# Altium PCB LJ_Mosfet_Power.PcbDoc (part 4 of 5)
Units mm, origin at the board's own origin, x right, y up, seen from the top; angles counter-clockwise.
Board outline 152.51 x 130.13 mm, 2 copper layers (Top Layer, Bottom Layer); 337 components, 193 nets, 1586 pads, 1491 vias.
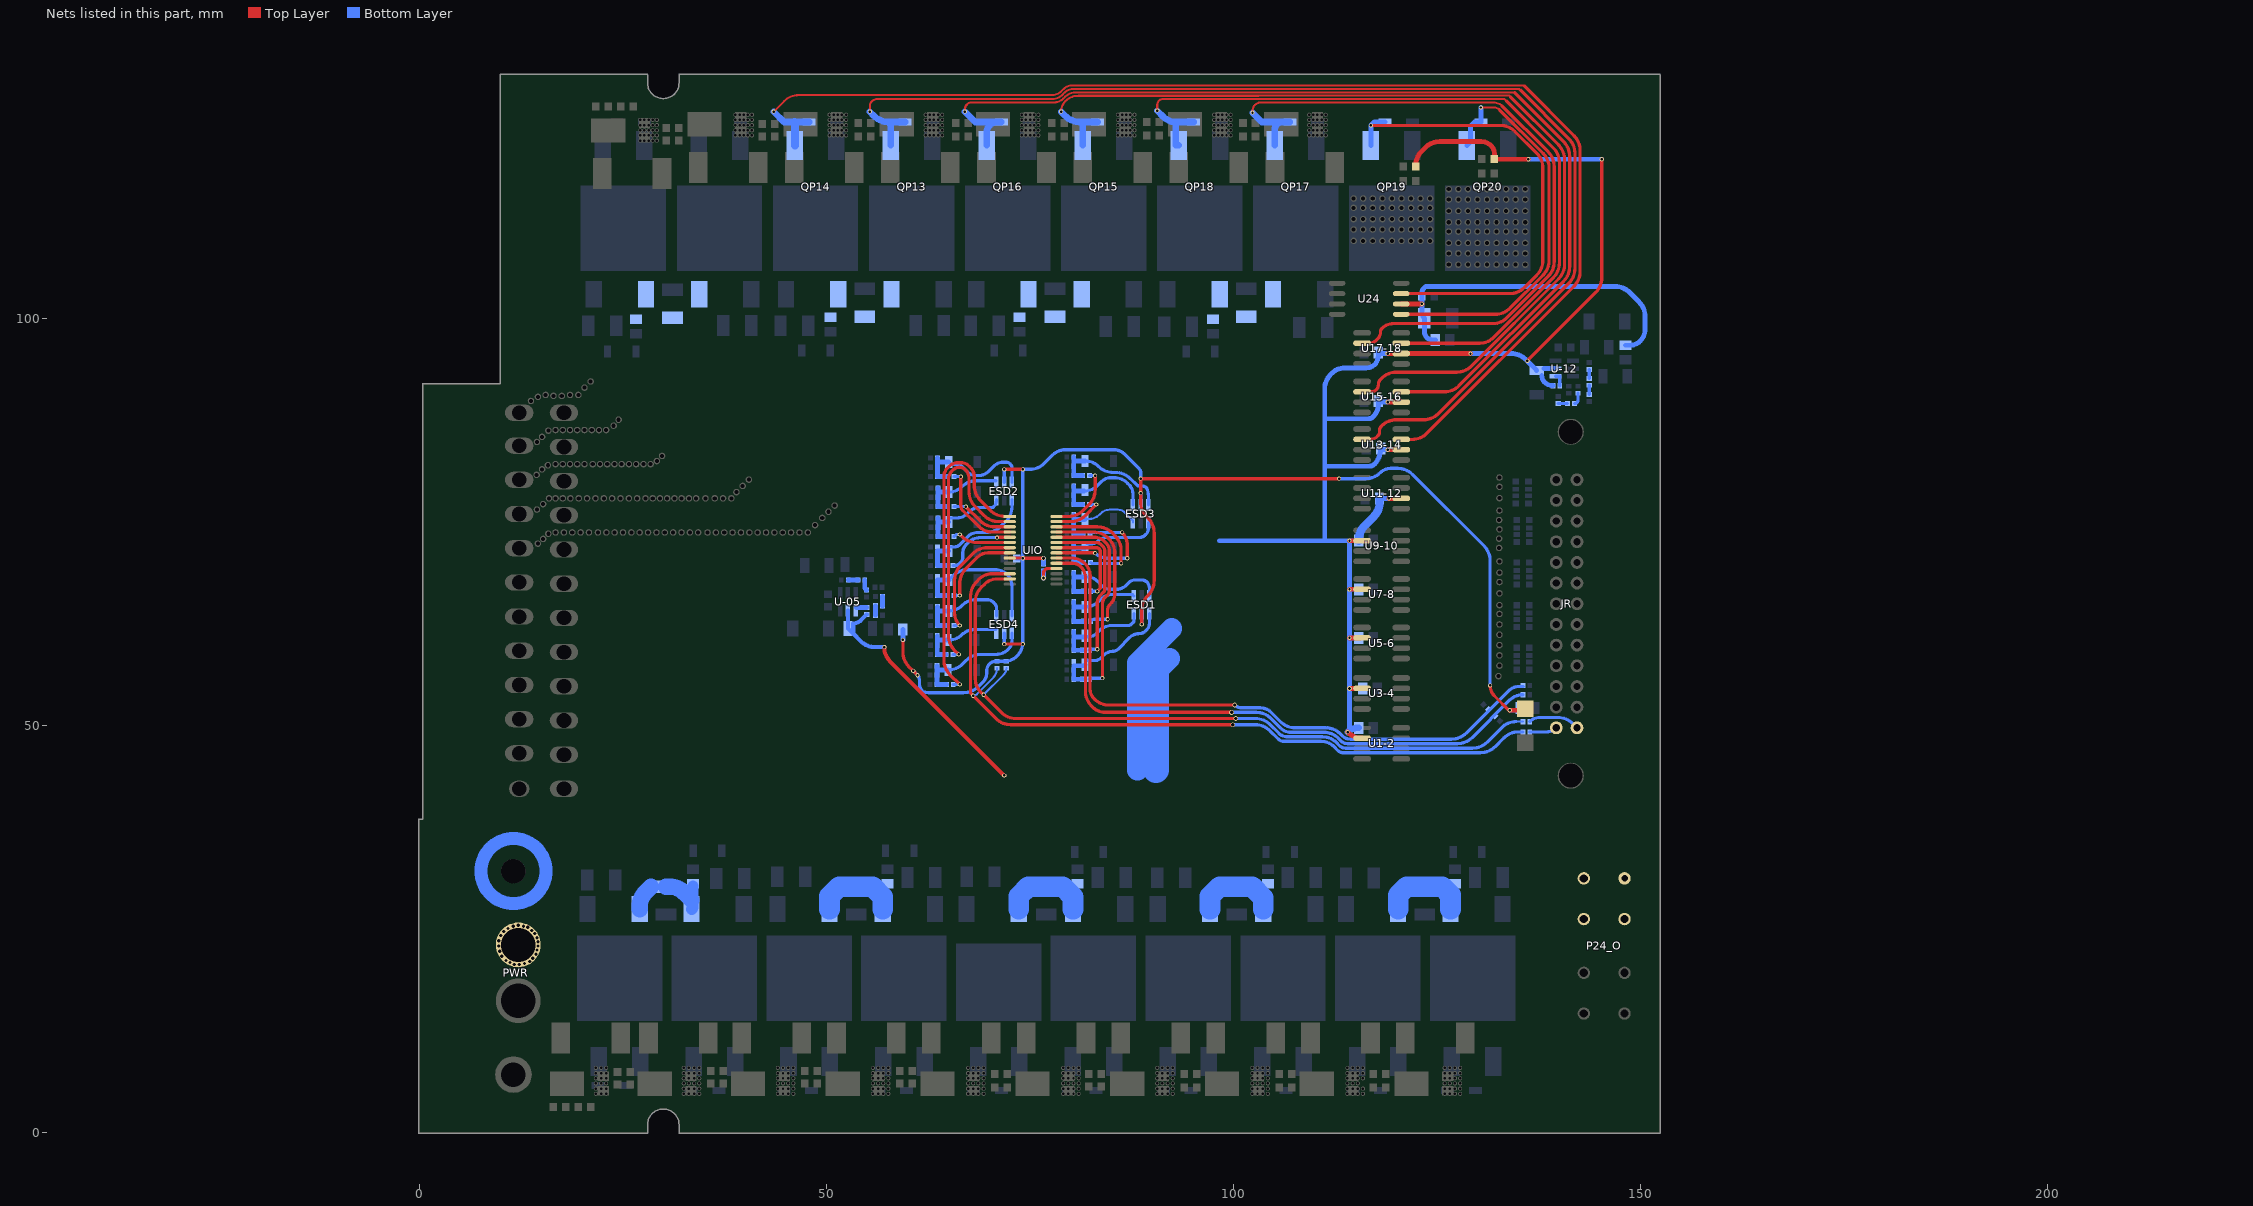
[diagram p4: the nets of this part, all layers, seen from the top]

## Via types
v1: diameter 0.5, hole 0.3, Top Layer to Bottom Layer, tented both sides, 758 vias
v2: diameter 0.6, hole 0.4, Top Layer to Bottom Layer, tented both sides, 698 vias
v3: diameter 0.8, hole 0.5, Top Layer to Bottom Layer, tented both sides, 22 vias
v4: diameter 0.6, hole 0.43, Top Layer to Bottom Layer, tented both sides, 8 vias
v5: diameter 0.5, hole 0.3, Top Layer to Bottom Layer, 3 vias
v6: diameter 0.6, hole 0.3, Top Layer to Bottom Layer, tented both sides, 2 vias

## Nets (pads, with @x,y where several pads share a name; then routed paths per layer and width w, separated by ;. In a path a pad name is that pad's centre, name@x,y a point inside that pad or via, vN(x,y) a via of type N, cw(c..) or ccw(c..) an arc to the next point about the centre after c; other vN are vias at no path point) (continued)
NetQP13_1: QP13.1 U13-14.2 ZD13.2 | length 149.3
  Top Layer w0.254: v1(55.372,125.46) 55.372,126.099 cw(c56.282,126.099) 55.638,126.742 cw(c56.282,126.099) 56.282,127.009 77.823,127.009 ccw(c77.823,128.668) 78.919,127.423 79.322,127.825 cw(c80.357,126.789) 80.357,128.254 135.128,128.254 135.255,128.127
  Top Layer w0.4: U13-14.2@115.85,85.201 116.809,85.201 ccw(c116.809,86.502) 117.327,85.309 ccw(c116.809,86.502) 117.729,85.582 117.803,85.656 ccw(c117.37,86.09) 117.983,86.09 117.983,86.239 cw(c118.85,86.239) 118.237,86.852 118.255,86.87 cw(c120.051,85.074) 120.051,87.614 123.408,87.614 ccw(c123.408,90.154) 125.204,88.358 141.242,104.396 ccw(c139.446,106.192) 141.986,106.192 141.986,120.344 ccw(c139.446,120.344) 141.242,122.14 135.255,128.127
  Bottom Layer w0.8: v1(55.372,125.46) 55.898,124.934 ccw(c57.694,126.73) 56.106,124.747 ccw(c57.694,126.73) 57.694,124.19 ; QP13.1@57.954,121.309 57.954,123.562 ccw(c57.066,123.562) 57.694,124.19 ; ZD13.2@59.719,124.19 57.694,124.19
NetQP14_1: QP14.1 U13-14.7 ZD14.2 | length 157.5
  Top Layer w0.254: v1(43.561,125.46) 44.849,126.748 cw(c46.645,124.952) 46.645,127.492 77.775,127.492 ccw(c77.775,129.037) 78.867,127.945 79.176,128.254 cw(c80.157,127.274) 80.157,128.66 135.738,128.66 135.811,128.587
  Top Layer w0.4: U13-14.7@120.65,85.201 122.011,85.201 ccw(c122.011,87.741) 123.807,85.945 141.877,104.015 ccw(c140.081,105.811) 142.621,105.811 142.621,120.725 ccw(c140.081,120.725) 141.877,122.521 135.811,128.587
  Bottom Layer w0.8: v1(43.561,125.46) 44.831,124.19 46.101,124.19 ZD14.2@47.908,124.19
  Bottom Layer w1: 46.101,124.19 cw(c45.96,124.049) 46.159,124.049 QP14.1@46.159,121.309
NetQP15_1: QP15.1 U15-16.2 ZD15.2 | length 119.3
  Top Layer w0.254: v1(78.867,125.46) cw(c80.707,125.46) 79.406,126.761 cw(c80.985,125.181) 79.407,126.762 cw(c80.985,125.181) 80.985,127.415 103.117,127.415 103.129,127.428 133.922,127.428 134.112,127.238
  Top Layer w0.4: U15-16.2@115.85,91.043 116.989,91.043 ccw(c116.989,91.91) 117.602,91.297 ccw(c116.989,91.91) 117.856,91.91 117.856,91.954 cw(c118.723,91.954) 118.11,92.567 118.255,92.712 cw(c120.051,90.916) 120.051,93.456 127.472,93.456 ccw(c127.472,95.996) 129.268,94.2 139.972,104.904 ccw(c138.176,106.7) 140.716,106.7 140.716,119.582 ccw(c138.176,119.582) 139.972,121.378 134.112,127.238
  Bottom Layer w0.8: v1(78.867,125.46) 79.393,124.934 ccw(c81.189,126.73) 79.601,124.747 ccw(c81.189,126.73) 81.189,124.19 81.544,124.19 ; QP15.1@81.544,121.309 81.544,124.19 ; ZD15.2@83.341,124.19 81.544,124.19
NetQP16_1: QP16.1 U15-16.7 ZD16.2 | length 128.8
  Top Layer w0.254: v1(67.056,125.46) 67.056,125.736 cw(c67.923,125.736) 67.309,126.348 cw(c67.923,125.736) 67.923,126.603 78.041,126.603 ccw(c78.041,128.13) 79.121,127.05 79.375,127.304 cw(c80.623,126.056) 80.623,127.821 102.948,127.821 102.961,127.834 134.532,127.834 134.591,127.775
  Top Layer w0.4: U15-16.7@120.65,91.043 125.948,91.043 ccw(c125.948,93.583) 127.744,91.787 140.607,104.65 ccw(c138.811,106.446) 141.351,106.446 141.351,119.963 ccw(c138.811,119.963) 140.607,121.759 134.591,127.775
  Bottom Layer w0.8: v1(67.056,125.46) 68.326,124.19 ZD16.2@71.024,124.19 ; QP16.1@69.749,121.309 69.749,122.952 cw(c70.961,122.952) 70.104,123.809 cw(c71.024,122.889) ZD16.2@71.024,124.19 ; ZD16.2@71.53,124.19 ZD16.2@71.024,124.19
NetQP17_1: QP17.1 U17-18.2 ZD17.2 | length 89.9
  Top Layer w0.254: v1(102.384,125.333) 102.384,125.556 cw(c103.431,125.556) 102.69,126.296 ; 102.69,126.296 cw(c103.431,125.556) 103.431,126.603 131.953,126.603 cw(c131.953,125.019) 133.073,126.139
  Top Layer w0.4: U17-18.2@115.85,97.012 116.682,97.012 ccw(c116.682,98.313) 117.602,97.393 117.751,97.542 ccw(c116.884,98.409) 118.11,98.409 cw(c118.723,98.409) 118.29,98.843 cw(c119.696,97.437) 119.696,99.425 131.953,99.425 ccw(c131.953,101.719) 133.574,100.096 ; 133.073,126.139 138.702,120.51 cw(c136.906,118.714) 139.446,118.714 139.446,107.02 cw(c136.906,107.02) 138.702,105.224 133.575,100.097
  Bottom Layer w0.8: v1(102.384,125.333) 103.527,124.19 105.791,124.19 ; QP17.1@105.133,121.309 105.133,123.268 cw(c106.078,123.268) 105.41,123.936 cw(c106.023,123.323) 106.023,124.19 ZD17.2@106.963,124.19
NetQP18_1: QP18.1 U17-18.7 ZD18.2 | length 98.7
  Top Layer w0.254: v1(90.678,125.587) 90.678,126.316 cw(c91.371,126.316) 90.881,126.806 cw(c91.371,126.316) 91.371,127.009 103.285,127.009 103.297,127.022 133.312,127.022 133.604,126.73
  Top Layer w0.4: U17-18.7@120.65,97.012 130.302,97.012 ccw(c130.302,99.351) 131.956,97.697 139.337,105.078 ccw(c137.541,106.874) 140.081,106.874 140.081,119.201 ccw(c137.541,119.201) 139.337,120.997 138.991,121.343 133.604,126.73
  Bottom Layer w0.8: v1(90.678,125.587) 91.446,124.819 ; 91.447,124.818 ccw(c92.964,126.336) 92.964,124.19 ; QP18.1@93.339,121.309 92.964,121.309 92.964,124.19 ; ZD18.2@95.152,124.19 92.964,124.19
NetQP19_1: QP19.1 U24.7 ZD19.2 | length 58.9
  Top Layer w0.4: v1(116.928,123.77) 132.828,123.77 cw(c132.828,121.23) 134.625,123.026 137.305,120.346 cw(c135.509,118.55) 138.049,118.55 138.049,107.184 cw(c135.509,107.184) 137.305,105.388 135.769,103.852 cw(c133.973,105.648) 133.973,103.108 U24.7@120.65,103.108
  Bottom Layer w0.6: QP19.1@116.928,121.309 v1(116.928,123.77) 117.348,124.19 ZD19.2@118.647,124.19
NetQP20_1: QP20.1 U24.5 ZD20.2 | length 50.5
  Top Layer w0.254: v1(130.429,125.968) 132.106,125.968 cw(c132.106,125.105) 132.716,125.715
  Top Layer w0.4: U24.5@120.65,100.568 132.213,100.568 ccw(c132.213,103.108) 134.009,101.312 138.067,105.37 ccw(c136.271,107.166) 138.811,107.166 138.811,118.568 ccw(c136.271,118.568) 138.067,120.364 132.716,125.715
  Bottom Layer w0.6: QP20.1@128.723,121.309 129.159,121.745 129.159,123.682 129.667,124.19 ZD20.2@130.458,124.19 130.458,125.939 v1(130.429,125.968)
NetRA1_1: RA1.1 U-05.4 | length 1.3
  Bottom Layer w0.6: U-05.4@53.721,64.544 RA1.1@54.991,64.544
NetRA2_2: RA2.2 RA3.1 | length 1.1
  Bottom Layer w0.6: RA3.1@56.906,64.754 RA2.2@56.906,65.897
NetRA3_2: RA3.2 RA4.1 | length 1.1
  Bottom Layer w0.6: RA4.1@56.056,63.611 RA3.2@56.056,64.754
NetRA5_2: RA5.2 RA6.1 | length 1.3
  Bottom Layer w0.6: RA6.1@54.747,67.929 54.747,66.913 RA5.2@54.957,66.703
NetRA6_2: RA6.2 RA7.1 | length 1.2
  Bottom Layer w0.6: RA7.1@52.715,67.929 RA6.2@53.897,67.929
NetRB1_1: RB1.1 U-12.4 | length 1.7
  Bottom Layer w0.4: U-12.4@139.622,92.953 140.125,92.953 RB1.1@140.125,91.805
NetRB2_2: RB2.2 RB3.1 | length 1.5
  Bottom Layer w0.4: RB3.1@141.942,89.602 ccw(c141.942,90.027) 142.367,90.027 RB2.2@142.367,90.872
NetRB3_2: RB3.2 RB4.1 | length 1.1
  Bottom Layer w0.4: RB4.1@139.954,89.602 RB3.2@141.092,89.602
NetRB5_2: RB5.2 RB6.1 | length 1.1
  Bottom Layer w0.4: RB5.2@143.764,90.706 RB6.1@143.764,91.844
NetRB6_2: RB6.2 RB7.1 | length 1.1
  Bottom Layer w0.4: RB6.2@143.764,92.694 RB7.1@143.764,93.793
NetRI1_1: RI1.1 UIO.18 | length 3.3
  Top Layer w0.4: v2(76.708,68.183) 76.708,68.679 cw(c77.502,68.679) 76.941,69.241 cw(c77.357,68.423) 77.357,69.341 UIO.18@78.307,69.341
  Bottom Layer w0.6: v2(76.708,68.183) RI1.1@76.708,69.028
NetRI2_1: RI2.1 RI8.2 UIO.12 | length 96.2
  Top Layer w0.4: UIO.12@72.569,68.701 70.391,68.701 ccw(c70.391,66.499) 68.834,68.056 68.494,67.716 ccw(c70.291,65.92) 67.751,65.92 67.751,54.026 v1(68.072,53.705) 70.884,50.893 ccw(c72.68,52.689) 72.68,50.149 v2(99.949,50.149)
  Bottom Layer w0.254: v1(68.072,53.705) ccw(c68.072,54.318) 68.506,53.885 70.485,55.864 ccw(c69.26,57.09) RI2.1@70.993,57.09
  Bottom Layer w0.4: v2(99.949,50.149) 102.732,50.149 cw(c102.732,47.609) 104.528,49.405 105.537,48.396 ccw(c106.238,49.097) 106.092,48.117 ccw(c106.238,49.097) 106.238,48.106 106.68,48.106 ; 106.68,48.117 110.754,48.117 cw(c110.754,45.732) 112.44,47.419 112.884,46.974 ; 112.885,46.974 ccw(c113.524,47.613) 113.384,46.72 ccw(c113.524,47.613) 113.524,46.709 113.792,46.709 ; 113.792,46.72 130.393,46.72 ccw(c130.393,49.26) 131.856,47.184 ccw(c130.393,49.26) 132.189,47.464 133.241,48.516 ; RI8.2@135.592,49.26 135.037,49.26 ; 133.241,48.516 cw(c135.037,46.72) 135.037,49.26 ; 133.241,48.516 cw(c135.037,46.72) 135.037,49.26
NetRI3_1: RI3.1 RI9.2 UIO.13 | length 93.4
  Top Layer w0.4: UIO.13@72.569,68.061 71.014,68.061 ccw(c71.014,65.876) 70.998,68.061 ccw(c71.014,65.876) 69.469,67.421 69.07,67.022 ccw(c70.866,65.226) 68.332,65.395 ccw(c70.866,65.226) 68.326,65.226 68.326,55.746 ccw(c70.494,55.746) 68.96,54.214 v1(69.342,53.832) 71.519,51.655 ccw(c73.315,53.451) 73.315,50.911 v2(100.33,50.911)
  Bottom Layer w0.254: v1(69.342,53.832) 71.808,56.298 ccw(c71.016,57.09) RI3.1@72.136,57.09 ; 133.096,49.895 cw(c134.629,48.362) 134.629,50.53 134.783,50.53 RI9.2@135.592,50.53
  Bottom Layer w0.4: v2(100.33,50.911) 102.751,50.911 cw(c102.751,48.371) 104.547,50.167 105.581,49.133 ccw(c106.727,50.279) 106.54,48.669 110.982,48.669 cw(c110.982,46.284) 112.668,47.971 113.066,47.573 ccw(c113.792,48.298) 113.792,47.272 129.421,47.272 ccw(c129.421,49.812) 130.884,47.736 ccw(c129.421,49.812) 131.217,48.016 132.987,49.786 cw(c134.783,47.99) 134.783,50.53
NetRI4_1: RI4.1 RI6.1 UIO.20 | length 77.8
  Top Layer w0.4: UIO.20@78.307,70.62 80.196,70.62 cw(c80.196,68.369) 81.788,69.961 cw(c80.201,68.374) 81.789,69.96 cw(c80.201,68.374) 82.423,68.689 ; 82.445,68.183 82.445,68.374 ccw(c80.201,68.374) 82.423,68.689 ; v2(100.203,52.562) 84.745,52.562 cw(c84.745,55.102) 82.949,53.306 82.931,53.324 cw(c84.157,54.55) 82.423,54.55 82.423,68.689
  Bottom Layer w0.4: v2(100.203,52.562) ccw(c101.017,53.376) 101.017,52.225 103.347,52.225 cw(c103.347,50.372) 104.657,51.682 105.823,50.517 ccw(c107.619,52.313) 107.619,49.773 111.379,49.773 cw(c111.379,47.242) 113.169,49.032 113.411,48.789 ccw(c114.409,49.787) 114.409,48.376 126.842,48.376 ccw(c126.842,50.916) 128.638,49.12 133.794,54.277 cw(c135.174,52.897) 133.795,54.277 cw(c135.174,52.897) 135.174,54.848 RI6.1@135.636,54.848
NetRI5_1: RI5.1 RI7.1 UIO.19 | length 77.3
  Top Layer w0.4: UIO.19@78.307,69.981 80.313,69.981 cw(c80.313,68.613) 81.28,69.58 cw(c79.853,68.153) 81.871,68.153 81.871,55.155 cw(c81.834,55.155) 81.86,55.129 81.86,54.241 ccw(c84.4,54.241) 82.604,52.445 82.761,52.287 ccw(c84.244,53.77) 84.244,51.673 v2(99.822,51.673)
  Bottom Layer w0.4: v2(99.822,51.673) 102.834,51.673 cw(c102.834,49.133) 104.63,50.929 105.791,49.768 ; 105.792,49.767 ccw(c107.148,51.125) 106.909,49.221 111.147,49.221 cw(c111.147,46.681) 112.943,48.477 113.277,48.142 ccw(c114.046,48.911) 114.046,47.824 127.56,47.824 ccw(c127.56,50.364) 129.356,48.568 133.933,53.145 cw(c135.592,51.485) RI7.1@135.592,53.832
PA0: R1.1 UIO.21 | length 16.2
  Top Layer w0.4: UIO.21@78.307,71.26 83.029,71.26 v1(83.058,71.231) ; v1(86.36,73.771) cw(c84.827,72.238) v1(86.36,73.771) cw(c84.827,72.238) 86.995,72.238 v1(86.995,70.596)
  Bottom Layer w0.4: R1.1@82.423,73.644 82.55,73.771 v1(86.36,73.771) ; v1(83.058,71.231) ccw(c84.591,72.764) v1(83.058,71.231) ccw(c84.591,72.764) 84.591,70.596 v1(86.995,70.596)
PA1: R4.1 UIO.22 | length 11.5
  Top Layer w0.4: UIO.22@78.307,71.9 83.201,71.9 cw(c83.201,71.408) 83.549,71.756 cw(c83.201,71.408) 83.693,71.408 83.693,66.913 v1(83.312,66.532)
  Bottom Layer w0.4: R4.1@82.467,66.532 v1(83.312,66.532)
PA2: R7.1 UIO.23 | length 19.6
  Top Layer w0.4: UIO.23@78.307,72.54 83.1,72.54 cw(c83.1,71.395) 83.743,72.343 83.947,72.139 cw(c83.228,71.419) 84.245,71.419 84.245,66.818 cw(c83.661,66.818) 84.074,66.405 83.693,66.024 ccw(c84.613,65.104) 83.312,65.104 v1(83.312,59.42)
  Bottom Layer w0.4: R7.1@82.555,59.42 v1(83.312,59.42)
PA3: R10.1 UIO.24 | length 24.9
  Top Layer w0.4: UIO.24@78.307,73.18 82.932,73.18 cw(c82.932,71.322) 84.097,72.77 cw(c82.932,71.322) 84.246,72.636 ; v1(83.947,55.864) 83.947,64.959 cw(c85.248,64.959) 84.328,65.878 84.582,66.132 ccw(c84.063,66.651) 84.797,66.651 84.797,71.485 ccw(c83.386,71.485) 84.384,72.482 84.238,72.628
  Bottom Layer w0.4: R10.1@82.34,55.737 82.467,55.864 v1(83.947,55.864)
PA4: R13.1 UIO.25 | length 19.2
  Top Layer w0.4: UIO.25@78.307,73.82 82.846,73.82 cw(c82.846,71.28) 84.642,73.076 84.727,72.991 cw(c82.931,71.195) 85.471,71.195 85.471,66.278 cw(c83.631,66.278) 84.932,64.977 84.836,64.881 ccw(c85.449,64.268) 84.582,64.268 v1(84.582,63.103)
  Bottom Layer w0.4: R13.1@82.467,62.849 cw(c83.08,62.236) 83.08,63.103 v1(84.582,63.103)
PA5: R16.1 UIO.26 | length 14.9
  Top Layer w0.4: UIO.26@78.307,74.46 83.349,74.46 cw(c83.349,71.92) 85.145,73.716 85.489,73.372 cw(c83.693,71.576) 86.233,71.576 v1(86.233,69.961)
  Bottom Layer w0.4: R16.1@82.483,70.088 82.61,69.961 v1(86.233,69.961)
PA6: R19.1 UIO.27 | length 6.5
  Top Layer w0.4: UIO.27@78.307,75.1 80.033,75.1 ccw(c80.033,77.64) 81.829,75.844 v1(83.185,77.2)
  Bottom Layer w0.4: R19.1@82.34,77.2 v1(83.185,77.2)
PA7: R22.1 UIO.28 | length 8.9
  Top Layer w0.4: UIO.28@78.307,75.739 79.783,75.739 ccw(c79.783,78.279) 81.579,76.483 82.319,77.223 ccw(c80.534,79.007) 83.058,79.007 v1(83.058,80.756)
  Bottom Layer w0.4: R22.1@82.368,80.756 v1(83.058,80.756)
PAX0: C00.2 ESD3.3 R1.2 R2.2 R3.1 ZM01.2 | length 11.8
  Bottom Layer w0.254: ZM01.2@81.816,75.422 82.26,75.422 ccw(c82.26,77.349) 82.576,75.448 ccw(c82.26,77.349) 83.622,75.986 83.752,76.116 cw(c84.836,75.032) 84.836,76.565 85.852,76.565 cw(c85.852,75.339) 86.719,76.206 ; 86.719,76.206 87.696,75.229 ESD3.3@87.696,74.982
  Bottom Layer w0.6: R3.1@80.419,75.93 80.419,75.359 ; R1.2@81.573,73.644 R2.2@80.419,73.644 C00.2@80.419,74.787 80.419,75.359 ; ZM01.2@81.816,75.422 81.753,75.359 80.419,75.359
PAX1: C02.2 ESD1.3 R4.2 R5.2 R6.1 ZM02.2 | length 15.2
  Bottom Layer w0.4: ZM02.2@81.816,68.31 82.086,68.31 cw(c82.086,66.576) 82.089,68.31 cw(c82.086,66.576) 83.312,67.802 83.947,67.167 ccw(c84.867,68.087) 84.867,66.786 85.725,66.786 ccw(c85.725,68.319) 86.809,67.235 87.156,67.582 cw(c87.994,66.744) 87.994,67.929 88.752,67.929 cw(c88.752,66.958) 89.438,67.645 cw(c88.752,66.958) 89.723,66.958 ESD1.3@89.723,65.956
  Bottom Layer w0.6: R6.1@80.419,68.818 80.419,68.31 ; R4.2@81.617,66.532 R5.2@80.419,66.532 80.419,68.31 ; ZM02.2@81.816,68.31 80.419,68.31
PAX2: C03.2 ESD1.6 R7.2 R8.2 R9.1 ZM03.2 | length 12.9
  Bottom Layer w0.4: ZM03.2@81.689,60.944 82.175,60.944 ccw(c82.175,62.462) 82.783,61.071 ccw(c82.175,62.462) 83.248,61.388 ; 83.248,61.389 83.566,61.706 cw(c85.099,60.173) 83.567,61.707 cw(c85.099,60.173) 85.099,62.341 87.017,62.341 ccw(c87.017,63.208) 87.629,62.594 ; ESD1.6@87.823,63.806 87.823,63.061 ; 87.63,62.595 ccw(c87.164,63.061) 87.823,63.061 ; 87.63,62.595 87.823,62.788 87.823,63.061
  Bottom Layer w0.6: R9.1@80.419,61.579 80.419,60.944 ; R7.2@81.49,59.293 R8.2@80.419,59.293 80.419,60.944 ; ZM03.2@81.689,60.944 80.419,60.944
PAX3: C04.2 ESD1.4 R10.2 R11.2 R12.1 ZM04.2 | length 15
  Bottom Layer w0.4: ZM04.2@81.915,58.023 82.931,58.023 ccw(c82.931,59.249) 83.798,58.382 ; 83.798,58.382 84.133,58.717 cw(c85.217,57.633) 85.217,59.166 ccw(c85.217,60.086) 85.867,59.435 87.308,60.876 cw(c88.392,59.792) 88.392,61.325 ccw(c88.392,62.551) 89.259,61.684 ; 89.259,61.684 89.408,61.833 ccw(c88.648,62.593) 89.723,62.593 ESD1.4@89.723,63.806
  Bottom Layer w0.6: R10.2@81.49,55.737 R11.2@80.419,55.737 80.419,57.388 81.689,57.388 ZM04.2@81.816,57.515
PAX4: C05.2 ESD1.1 R13.2 R14.2 R15.1 ZM05.2 | length 11.5
  Bottom Layer w0.4: ZM05.2@81.816,64.627 ccw(c81.816,67.012) 83.502,65.325 83.693,65.516 cw(c85.226,63.983) 83.694,65.517 cw(c85.226,63.983) 85.226,66.151 87.628,66.151 ESD1.1@87.823,65.956
  Bottom Layer w0.6: R15.1@80.419,65.262 80.419,64.627 ; R13.2@81.617,62.849 R14.2@80.419,62.849 80.419,64.627 ; ZM05.2@81.816,64.627 80.419,64.627
PAX5: C06.2 ESD3.1 R16.2 R17.2 R18.1 ZM06.2 | length 14
  Bottom Layer w0.4: ZM06.2@82.042,72.374 82.55,72.374 ccw(c82.55,73.6) 83.417,72.733 ; 83.417,72.733 cw(c84.39,71.761) 84.39,73.136 88.361,73.136 ccw(c88.361,74.437) 89.281,73.517 ccw(c88.521,74.277) 89.596,74.277 ESD3.1@89.596,74.982
  Bottom Layer w0.6: R18.1@80.419,72.374 80.419,71.866 ; R16.2@81.633,70.088 R17.2@80.419,70.088 80.419,71.866 ; ZM06.2@81.816,71.866 80.419,71.866
PAX6: C07.2 ESD3.4 R19.2 R20.2 R21.1 ZM07.2 | length 13.6
  Bottom Layer w0.4: ZM07.2@81.689,78.851 ccw(c81.689,81.236) 82.457,78.978 ccw(c81.689,81.236) 83.375,79.549 83.879,80.053 cw(c84.963,78.969) 84.963,80.502 85.344,80.502 cw(c85.344,78.049) 87.078,79.784 87.204,79.658 ; 87.204,79.658 cw(c86.016,78.47) 87.696,78.47 ESD3.4@87.696,77.132
  Bottom Layer w0.6: R21.1@80.419,79.486 80.419,78.851 ; R19.2@81.49,77.2 R20.2@80.419,77.2 80.419,78.851 ; ZM07.2@81.689,78.851 80.419,78.851
PAX7: C08.2 ESD3.6 R22.2 R23.2 R24.1 ZM08.2 | length 15.7
  Bottom Layer w0.4: ZM08.2@81.816,82.534 81.906,82.534 cw(c81.906,80.366) 83.438,81.9 cw(c81.906,80.366) 83.439,81.899 83.457,81.881 ccw(c85.253,83.677) 85.253,81.137 85.562,81.137 cw(c85.562,78.597) 87.358,80.393 88.138,79.613 ccw(c88.445,79.92) 88.445,79.486 88.762,79.486 cw(c88.762,78.595) 89.392,79.225 cw(c87.056,78.227) 89.596,78.227 ; ESD3.6@89.596,77.132 89.596,78.227 ; 89.596,78.461 89.596,78.227
  Bottom Layer w0.6: R24.1@80.419,83.042 80.419,82.534 ; R22.2@81.518,80.756 R23.2@80.419,80.756 80.419,82.534 ; ZM08.2@81.816,82.534 80.419,82.534
PB0: R25.1 UIO.1 | length 40.6
  Top Layer w0.4: 65.135,81.899 64.897,81.661 ccw(c65.923,80.635) 64.472,80.635 64.472,58.103 ccw(c67.012,58.103) 65.216,56.307 v1(66.421,55.102) ; 65.136,81.9 cw(c66.195,80.839) 65.99,82.324 66.743,82.324 ; 66.195,82.338 66.543,82.338 cw(c66.543,80.893) 66.743,82.324 ; 67.563,81.916 ccw(c66.543,80.893) 66.743,82.324 ; 67.564,81.915 67.739,81.74 cw(c66.628,80.629) 68.199,80.629 68.199,79.522 ccw(c70.739,79.522) 68.943,77.726 70.186,76.483 ccw(c71.982,78.279) 71.982,75.739 UIO.1@72.569,75.739
  Bottom Layer w0.4: R25.1@65.625,55.102 v1(66.421,55.102)
PB1: R28.1 UIO.2 | length 35.4
  Top Layer w0.4: 65.468,81.327 ccw(c66.542,80.254) 65.024,80.254 65.024,61.107 ccw(c67.564,61.107) 65.153,60.307 ccw(c67.564,61.107) 65.768,59.311 v1(66.294,58.785) ; 65.468,81.328 65.599,81.458 cw(c66.358,80.699) 66.358,81.772 cw(c66.358,80.699) 67.116,81.458 cw(c66.047,80.389) 67.559,80.389 67.559,78.749 ccw(c70.099,78.749) 68.303,76.953 69.413,75.844 ccw(c71.209,77.64) 71.209,75.1 UIO.2@72.569,75.1
  Bottom Layer w0.4: R28.1@65.576,58.785 v1(66.294,58.785)
PB2: R31.1 UIO.3 | length 7.8
  Top Layer w0.4: v1(67.183,76.946) 68.925,75.204 ccw(c70.721,77) 70.721,74.46 UIO.3@72.569,74.46
  Bottom Layer w0.4: R31.1@65.703,76.946 v1(67.183,76.946)
PB3: R34.1 UIO.4 | length 11.8
  Top Layer w0.4: v1(66.548,80.629) 66.548,77.073 ccw(c67.468,77.073) 66.817,76.423 68.676,74.564 ccw(c70.472,76.36) 70.472,73.82 UIO.4@72.569,73.82
  Bottom Layer w0.4: R34.1@65.703,80.629 v1(66.548,80.629)
PB4: R37.1 UIO.5 | length 10
  Top Layer w0.4: v1(70.993,73.136) 71.037,73.18 UIO.5@72.569,73.18
  Bottom Layer w0.4: R37.1@65.576,69.707 R37.1@65.718,69.707 ; v1(70.993,73.136) 68.97,73.136 ccw(c68.97,70.968) 67.438,72.502 ccw(c68.97,70.968) 67.437,72.501 67.183,72.247 ccw(c68.103,71.327) 66.802,71.327 66.802,70.791 cw(c65.718,70.791) 66.485,70.025 ; R37.1@65.718,69.707 ccw(c65.718,70.791) 66.485,70.025 ; R37.1@65.718,69.707 66.167,69.707 66.485,70.025
PB5: R40.1 UIO.6 | length 7.3
  Top Layer w0.4: v1(66.421,73.517) 66.66,73.278 ccw(c68.456,75.074) 68.456,72.534 72.563,72.534 UIO.6@72.569,72.54
  Bottom Layer w0.4: R40.1@65.703,73.263 65.957,73.517 v1(66.421,73.517)
PB6: R43.1 UIO.7 | length 15.3
  Top Layer w0.4: v1(66.421,62.341) cw(c67.954,63.874) 65.786,63.874 65.786,67.893 cw(c68.326,67.893) 66.53,69.689 67.997,71.156 cw(c69.793,69.36) 69.793,71.9 UIO.7@72.569,71.9
  Bottom Layer w0.4: R43.1@65.703,62.341 v1(66.421,62.341)
PB7: R46.1 UIO.8 | length 10.3
  Top Layer w0.4: v1(66.421,66.024) 66.421,67.512 cw(c68.961,67.512) 67.165,69.308 68.58,70.723 cw(c69.877,69.426) 69.877,71.26 UIO.8@72.569,71.26
  Bottom Layer w0.4: R46.1@65.703,66.024 v1(66.421,66.024)
PBX0: C09.2 ESD4.4 R25.2 R26.2 R27.1 ZM09.2 | length 15
  Bottom Layer w0.4: ZM09.2@64.974,56.88 64.988,56.88 ccw(c64.988,59.42) 66.784,57.624 67.201,58.041 cw(c68.997,56.245) 68.997,58.785 70.857,58.785 ccw(c70.857,60.953) 72.389,59.419 ; 72.39,59.42 ccw(c71.32,60.488) 72.832,60.488 ESD4.4@72.832,61.393
  Bottom Layer w0.6: R27.1@63.627,57.388 63.627,56.88 ; R25.2@64.775,55.102 R26.2@63.627,55.102 C09.2@63.627,56.245 63.627,56.88 ; ZM09.2@64.974,56.88 63.627,56.88
PBX1: C10.2 ESD4.6 R28.2 R29.2 R30.1 ZM10.2 | length 10.9
  Bottom Layer w0.4: ZM10.2@64.925,60.563 65.142,60.563 ccw(c65.142,62.731) 66.675,61.198 cw(c68.208,59.665) 66.676,61.199 cw(c68.208,59.665) 68.208,61.833 ESD4.6@70.866,61.833
  Bottom Layer w0.6: R30.1@63.655,61.071 63.655,60.563 ; R28.2@64.726,58.785 R29.2@63.655,58.785 63.655,60.563 ; ZM10.2@64.925,60.563 63.655,60.563
PBX2: C11.2 ESD2.4 R31.2 R32.2 R33.1 ZM11.2 | length 10.9
  Bottom Layer w0.4: ZM11.2@65.052,78.724 ccw(c65.052,81.109) 66.738,79.422 cw(c68.425,77.736) 68.425,80.121 ESD2.4@70.866,80.121
  Bottom Layer w0.6: R33.1@63.737,79.232 63.737,78.597 ; R31.2@64.792,76.946 R32.2@63.737,76.946 63.737,78.597 ; ZM11.2@65.052,78.724 63.864,78.724 63.737,78.597
PBX3: C12.2 ESD2.6 R34.2 R35.2 R36.1 ZM12.2 | length 15.9
  Bottom Layer w0.4: ZM12.2@65.052,82.407 65.306,82.153 66.04,82.153 cw(c66.04,81.233) 66.69,81.884 67.459,81.115 ; 67.459,81.115 ccw(c68.326,81.982) 68.326,80.756 68.644,80.756 ccw(c68.644,82.749) 70.053,81.34 70.671,81.958 cw(c71.755,80.874) 71.755,82.407 72.077,82.407 cw(c72.077,81.652) 72.611,82.186 ; 72.612,82.185 cw(c72.077,81.652) 72.832,81.652 ESD2.6@72.832,79.926
  Bottom Layer w0.6: R36.1@63.671,82.915 63.671,82.407 ; R34.2@64.853,80.629 R35.2@63.671,80.629 63.671,82.407 ; ZM12.2@65.052,82.407 63.671,82.407
PBX4: C13.2 ESD2.1 R37.2 R38.2 R39.1 ZM13.2 | length 15
  Bottom Layer w0.4: ZM13.2@65.151,71.993 65.786,71.993 ccw(c65.786,72.868) 66.405,72.249 67.437,73.282 cw(c68.618,72.1) 68.618,73.771 69.687,73.771 ccw(c69.687,76.311) 71.483,74.515 72.088,75.12 ccw(c70.292,76.916) 72.832,76.916 ESD2.1@72.832,77.776
  Bottom Layer w0.6: R37.2@64.726,69.707 63.693,69.707 63.693,71.485 ZM13.2@65.052,71.485
PBX5: C14.2 ESD2.3 R40.2 R41.2 R42.1 ZM14.2 | length 11.4
  Bottom Layer w0.4: ZM14.2@65.278,75.549 66.084,75.549 ccw(c66.084,77.283) 67.31,76.057 67.564,76.311 cw(c68.79,75.085) 68.79,76.819 70.305,76.819 ccw(c70.305,77.253) 70.612,76.946 ccw(c69.839,77.719) 70.932,77.719 ESD2.3@70.932,77.776
  Bottom Layer w0.6: R42.1@63.737,75.549 63.737,75.041 ; R40.2@64.853,73.263 R41.2@63.737,73.263 63.737,75.041 ; ZM14.2@65.052,75.041 63.737,75.041
PBX6: C15.2 ESD4.1 R43.2 R44.2 R45.1 ZM15.2 | length 12.4
  Bottom Layer w0.4: ZM15.2@65.052,64.119 ccw(c65.052,66.504) 66.738,64.818 cw(c68.425,63.131) 68.425,65.516 69.735,65.516 cw(c69.735,64.319) 70.581,65.166 ; 70.722,64.996 cw(c70.215,64.49) 70.932,64.49 ESD4.1@70.932,63.543
  Bottom Layer w0.6: R45.1@63.671,64.627 63.671,64.119 ; R43.2@64.853,62.341 R44.2@63.671,62.341 63.671,64.119 ; ZM15.2@65.052,64.119 63.671,64.119
PBX7: C16.2 ESD4.3 R46.2 R47.2 R48.1 ZM16.2 | length 17.4
  Bottom Layer w0.4: ZM16.2@65.08,67.929 65.606,68.455 cw(c67.402,66.659) 67.028,69.171 cw(c67.402,66.659) 67.402,69.199 70.777,69.199 cw(c70.777,67.144) 72.23,68.597 cw(c70.777,67.144) 72.832,67.144 ESD4.3@72.832,63.543
  Bottom Layer w0.6: R46.2@64.853,66.024 R47.2@63.699,66.024 63.699,67.929 ZM16.2@65.08,67.929
SCL: JR.25 RI8.1 | length 3.6
  Top Layer w0.4: JR.25@139.573,49.641 JR.25@139.7,49.768
  Bottom Layer w0.4: RI8.1@136.442,49.26 138.474,49.26 ccw(c138.474,50.994) JR.25@139.7,49.768
SDA: JR.26 RI9.1 | length 6.4
  Bottom Layer w0.4: RI9.1@136.442,50.53 cw(c137.668,49.304) 137.668,51.038 139.918,51.038 cw(c139.918,48.498) 141.714,50.294 JR.26@142.24,49.768
V5: CI1.2 ESD1.5 ESD2.5 ESD3.5 ESD4.5 R_J5V.1 RA8.2 RI1.2 RI2.2 RI3.2 TVS.2 UIO.9 | length 169.7
  Top Layer w0.4: v1(59.436,60.563) 59.436,59.075 ccw(c61.976,59.075) 60.18,57.279 v1(60.706,56.753) v1(61.229,56.23) ; v1(71.882,60.055) v1(74.168,60.055) ; v1(71.882,81.518) v1(74.168,81.518) ; UIO.9@72.569,70.62 74.271,70.62 v1@74.246,70.596 ; v1(74.168,70.596) v1@74.246,70.596 ; v2(76.708,70.596) v1@74.246,70.596 ; v1(88.773,62.468) 88.773,64.21 cw(c91.313,64.21) 89.517,66.006 89.553,66.042 ccw(c87.757,67.838) 90.297,67.838 90.297,73.735 ccw(c87.757,73.735) 89.553,75.531 89.39,75.694 cw(c91.186,77.49) 88.646,77.49 v1(88.646,78.597) v1(88.646,80.375) v5(113.03,80.375) ; v5(131.572,54.975) ccw(c133.412,54.975) 132.111,53.674 133.985,51.8 v5(133.985,51.927)
  Top Layer w0.6: v5(133.985,51.927) 135.419,51.927 ccw(c135.419,52.593) TVS.2@135.89,52.122
  Bottom Layer w0.4: v1(60.706,56.753) 61.199,56.26 cw(c60.548,55.61) 61.468,55.61 61.468,55.183 ccw(c62.805,55.183) 61.86,54.237 ccw(c62.567,55.82) 62.567,54.086 66.893,54.086 ccw(c66.893,56.626) 68.689,54.83 69.342,55.483 ccw(c68.422,56.403) 69.723,56.403 69.723,56.722 cw(c71.024,56.722) 70.104,57.642 cw(c70.823,56.923) 70.823,57.94 RI2.2@70.993,57.94 71.954,57.94 ccw(c71.954,60.019) 73.424,58.549 ccw(c71.628,60.345) 74.168,60.345 v1(74.168,70.596) v1(74.168,81.518) 75.021,81.518 ccw(c75.021,84.058) 76.817,82.262 77.851,83.296 cw(c79.384,81.763) 77.852,83.297 cw(c79.384,81.763) 79.384,83.931 85.388,83.931 cw(c85.388,82.197) 86.614,83.423 88.466,81.571 cw(c88.033,81.137) 88.646,81.137 v1(88.646,80.375) ; v1(71.882,60.055) ESD4.5@71.882,61.393 ; ESD2.5@71.882,79.926 v1(71.882,81.518) ; ESD3.5@88.646,77.132 v1(88.646,78.597) ; v1(88.773,62.468) ESD1.5@88.773,63.806 ; v5(113.03,80.375) 116.296,80.375 ccw(c116.296,82.915) 118.092,81.119 cw(c119.362,79.849) 119.362,81.645 120.233,81.645 cw(c120.233,79.105) 122.029,80.901 130.828,72.102 cw(c129.032,70.306) 131.572,70.306 v5(131.572,54.975)
  Bottom Layer w0.6: v1(59.436,60.563) 59.436,61.831 RA8.2@59.438,61.833 ; CI1.2@73.414,70.596 v1(74.168,70.596) ; RI1.2@76.708,69.878 v2(76.708,70.596) ; v5(133.985,51.927) 135.254,51.927 R_J5V.1@135.254,52.181
V12: CQ19.1 CQ20.2 CU24.1 RB8.2 U24.6 | length 44.3
  Top Layer w0.6: U24.6@120.65,101.838 v1(123.19,101.838)
  Bottom Layer w0.6: v1@123.182,101.838 123.182,100.841 ccw(c124.25,100.841) CQ20.2@123.495,100.085 123.495,98.434 ccw(c124.501,98.434) 123.517,98.222 ccw(c124.501,98.434) 123.789,97.723 ccw(c124.586,98.52) 124.586,97.393 CU24.1@124.84,97.393 ; v1(123.19,101.838) 123.19,103.077 cw(c124.491,103.077) 123.334,103.673 123.659,103.997 146.903,103.997 cw(c146.903,101.457) 148.699,103.253 149.878,102.074 cw(c148.082,100.278) 150.622,100.278 150.622,98.799 cw(c148.454,98.799) 149.987,97.266 cw(c148.763,98.49) 148.763,96.759 RB8.2@148.209,96.759
V24: C1-2.1 C3-4.1 C5-6.1 C7-8.1 C9-10.1 C11-12.1 C13-14.1 C15-16.1 C17-18.1 CA3.2 CB3.2 CU1-2.1 CU3-4.1 CU5-6.1 CU7-8.1 CU9-10.1 CU11-12.1 CU13-14.1 CU15-16.1 CU17-18.1 P24_O.3 P24_O.4 PWR.2 R1-2.1 R3-4.1 R5-6.1 R7-8.1 R9-10.1 R11-12.1 R13-14.1 R15-16.1 R17-18.1 RA1.2 RB1.2 RL_19.2 RL_20.2 RQ1.2 RQ2.1 RQ3.2 RQ4.1 RQ5.2 RQ6.1 RQ7.2 RQ8.1 RQ9.2 RQ10.1 RQ11.2 RQ12.1 RQ13.2 RQ14.1 RQ15.2 RQ16.1 RQ17.2 RQ18.1 U1-2.6 U3-4.6 U5-6.6 U7-8.6 U9-10.6 U11-12.6 U13-14.6 U15-16.6 U17-18.6 U-05.5 U-12.5 | length 334
  Top Layer w0.4: v1(136.144,94.853) 144.544,103.253 ccw(c142.748,105.049) 145.288,105.049 v1(145.288,119.618)
  Top Layer w0.5: v1(57.15,59.674) ccw(c59.603,59.674) 57.868,57.94 v1(71.882,43.926)
  Top Layer w0.6: v1(114.071,49.235) ccw(c115.85,51.014) U1-2.6@115.85,48.498 ; v2(114.3,54.594) 115.818,54.594 U3-4.6@115.85,54.626 ; v1(114.3,60.817) U5-6.6@115.57,60.817 ; v1(114.3,66.786) U7-8.6@115.85,66.786 ; v1(114.3,72.755) U9-10.6@115.85,72.755 ; v1(118.999,83.931) U13-14.6@120.65,83.931 ; v1(118.999,89.773) U15-16.6@120.65,89.773 ; v1(118.999,95.742) U17-18.6@120.65,95.742 v1(129.159,95.742) ; v1(119.126,77.962) U11-12.6@120.65,77.962 ; RL_19.2@122.428,118.729 122.428,118.82 cw(c124.968,118.82) 123.172,120.616 123.589,121.033 cw(c125.385,119.237) 125.385,121.777 130.473,121.777 cw(c130.473,120.043) 131.699,121.269 cw(c130.76,120.33) 132.088,120.33 RL_20.2@132.088,119.618 v1(136.271,119.618)
  Bottom Layer w0.5: U-05.5@52.671,64.187 52.671,61.994 CA3.2@52.705,61.96 53.34,61.325 ; RA1.2@54.991,63.694 54.282,62.985 cw(c53.34,63.928) 53.34,62.595 53.34,61.325 ; v1(57.15,59.674) 56.043,59.674 cw(c56.043,62.214) 54.247,60.418 53.34,61.325
  Bottom Layer w0.6: 98.298,72.755 111.252,72.755 ; 111.633,87.741 116.608,87.741 ccw(c116.608,88.608) 117.221,87.995 ccw(c115.686,89.53) 117.857,89.53 CU15-16.1@117.857,89.773 ; v1@114.072,49.236 ccw(c113.519,49.787) 114.3,49.787 v2(114.3,54.594) ; CU5-6.1@115.442,60.817 v1(114.3,60.817) ; CU7-8.1@115.442,66.786 v1(114.3,66.786) ; CU9-10.1@115.442,72.755 v1(114.3,72.755) ; CU3-4.1@115.95,54.594 v2(114.3,54.594) ; CU15-16.1@117.857,89.9 CU15-16.1@117.857,89.773 ; CU11-12.1@117.984,77.962 v1(119.126,77.962) ; CU13-14.1@118.111,84.058 CU13-14.1@118.111,83.97 ; v1(118.999,83.931) 118.291,83.931 cw(c118.291,84.365) CU13-14.1@118.111,83.97 ; v1(118.999,89.773) CU15-16.1@117.857,89.773 ; v1(118.999,95.742) 118.164,95.742 cw(c118.164,96.176) CU17-18.1@117.857,95.869 117.857,95.779 cw(c115.317,95.779) 117.49,94.463 cw(c116.33,95.622) 116.33,93.983 113.711,93.983 ccw(c113.711,91.772) 112.147,93.335 111.996,93.184 ccw(c113.792,91.388) 111.252,91.388 111.252,81.772 ; v1(129.159,95.742) 134.169,95.742 cw(c134.169,93.202) v1@135.965,94.998 ; v1@136.127,94.836 CB3.2@137.287,93.676 ; v1(136.271,119.618) v1(145.288,119.618) ; 137.922,93.041 ccw(c139.066,93.041) 138.257,92.232 138.266,92.223 ccw(c139.275,93.232) RB1.2@139.275,91.805 ; CB3.2@138.176,93.903 U-12.5@139.622,93.903 ; 111.252,72.755 v1(114.3,72.755) ; 111.252,72.755 111.252,81.772 ; 111.252,81.772 cw(c111.559,81.465) 111.559,81.899 116.708,81.899 ccw(c116.708,82.831) 117.367,82.172 ccw(c115.571,83.968) 118.111,83.968 CU13-14.1@118.111,83.97 ; v2(114.3,54.594) v1(114.3,60.817) ; v1(114.3,60.817) v1(114.3,66.786) ; v1(114.3,66.786) v1(114.3,72.755)
  Bottom Layer w0.8: v1(114.071,49.235) cw(c115.358,47.948) 114.072,49.236 cw(c115.358,47.948) 115.358,49.768 CU1-2.1@115.442,49.768
  Bottom Layer w1: CU9-10.1@115.442,72.755 115.442,72.845 cw(c117.982,72.845) 116.186,74.641 117.348,75.803 ccw(c115.813,77.338) 117.984,77.338 CU11-12.1@117.984,77.962
  Bottom Layer w1.4: RQ2.1@33.478,27.487 ccw(c33.049,27.915) 33.655,27.915 R1-2.1@33.655,30.337
  Bottom Layer w1.6: 15.592,32.17 ccw(c11.592,32.17) 15.592,32.17
  Bottom Layer w2: RQ1.2@27.101,27.487 27.101,27.811 cw(c29.641,27.811) 27.845,29.607 28.499,30.261 ; C1-2.1@30.328,30.261 30.774,30.261 cw(c30.774,27.721) 32.57,29.517 RQ2.1@33.478,28.609
  Bottom Layer w2.54: RQ3.2@50.419,27.487 50.419,29.067 51.613,30.261 C3-4.1@53.696,30.261 55.702,30.261 56.973,28.99 RQ4.1@56.973,27.487 ; RQ5.2@73.66,27.487 73.66,29.067 74.854,30.261 C5-6.1@77.064,30.261 79.07,30.261 80.341,28.99 RQ6.1@80.341,27.487 ; 88.265,44.561 88.265,57.769 92.456,61.96 ; 90.551,56.626 92.202,58.277 ; RQ7.2@97.155,27.487 97.155,29.067 98.349,30.261 C7-8.1@100.432,30.261 102.311,30.261 103.709,28.863 RQ8.1@103.709,27.487 ; RQ9.2@120.269,27.487 120.269,29.194 121.336,30.261 C9-10.1@123.546,30.261 125.679,30.261 126.696,29.244 RQ10.1@126.696,27.492
  Bottom Layer w3.2: 90.551,44.561 90.551,56.626
  other v2: 11.684,20.685 12.319,20.685 12.954,20.812 11.176,20.939 13.589,21.066 10.668,21.193 13.97,21.447 10.16,21.701 14.351,21.955 9.906,22.336 14.478,22.463 9.779,22.971 14.605,22.971 14.605,23.479 9.779,23.606 14.478,23.987 10.033,24.241 14.224,24.495 10.414,24.749 13.843,24.876 10.922,25.13 13.335,25.257 11.557,25.384 12.827,25.384 12.192,25.511